# Altium PCB final.PcbDoc (continued)
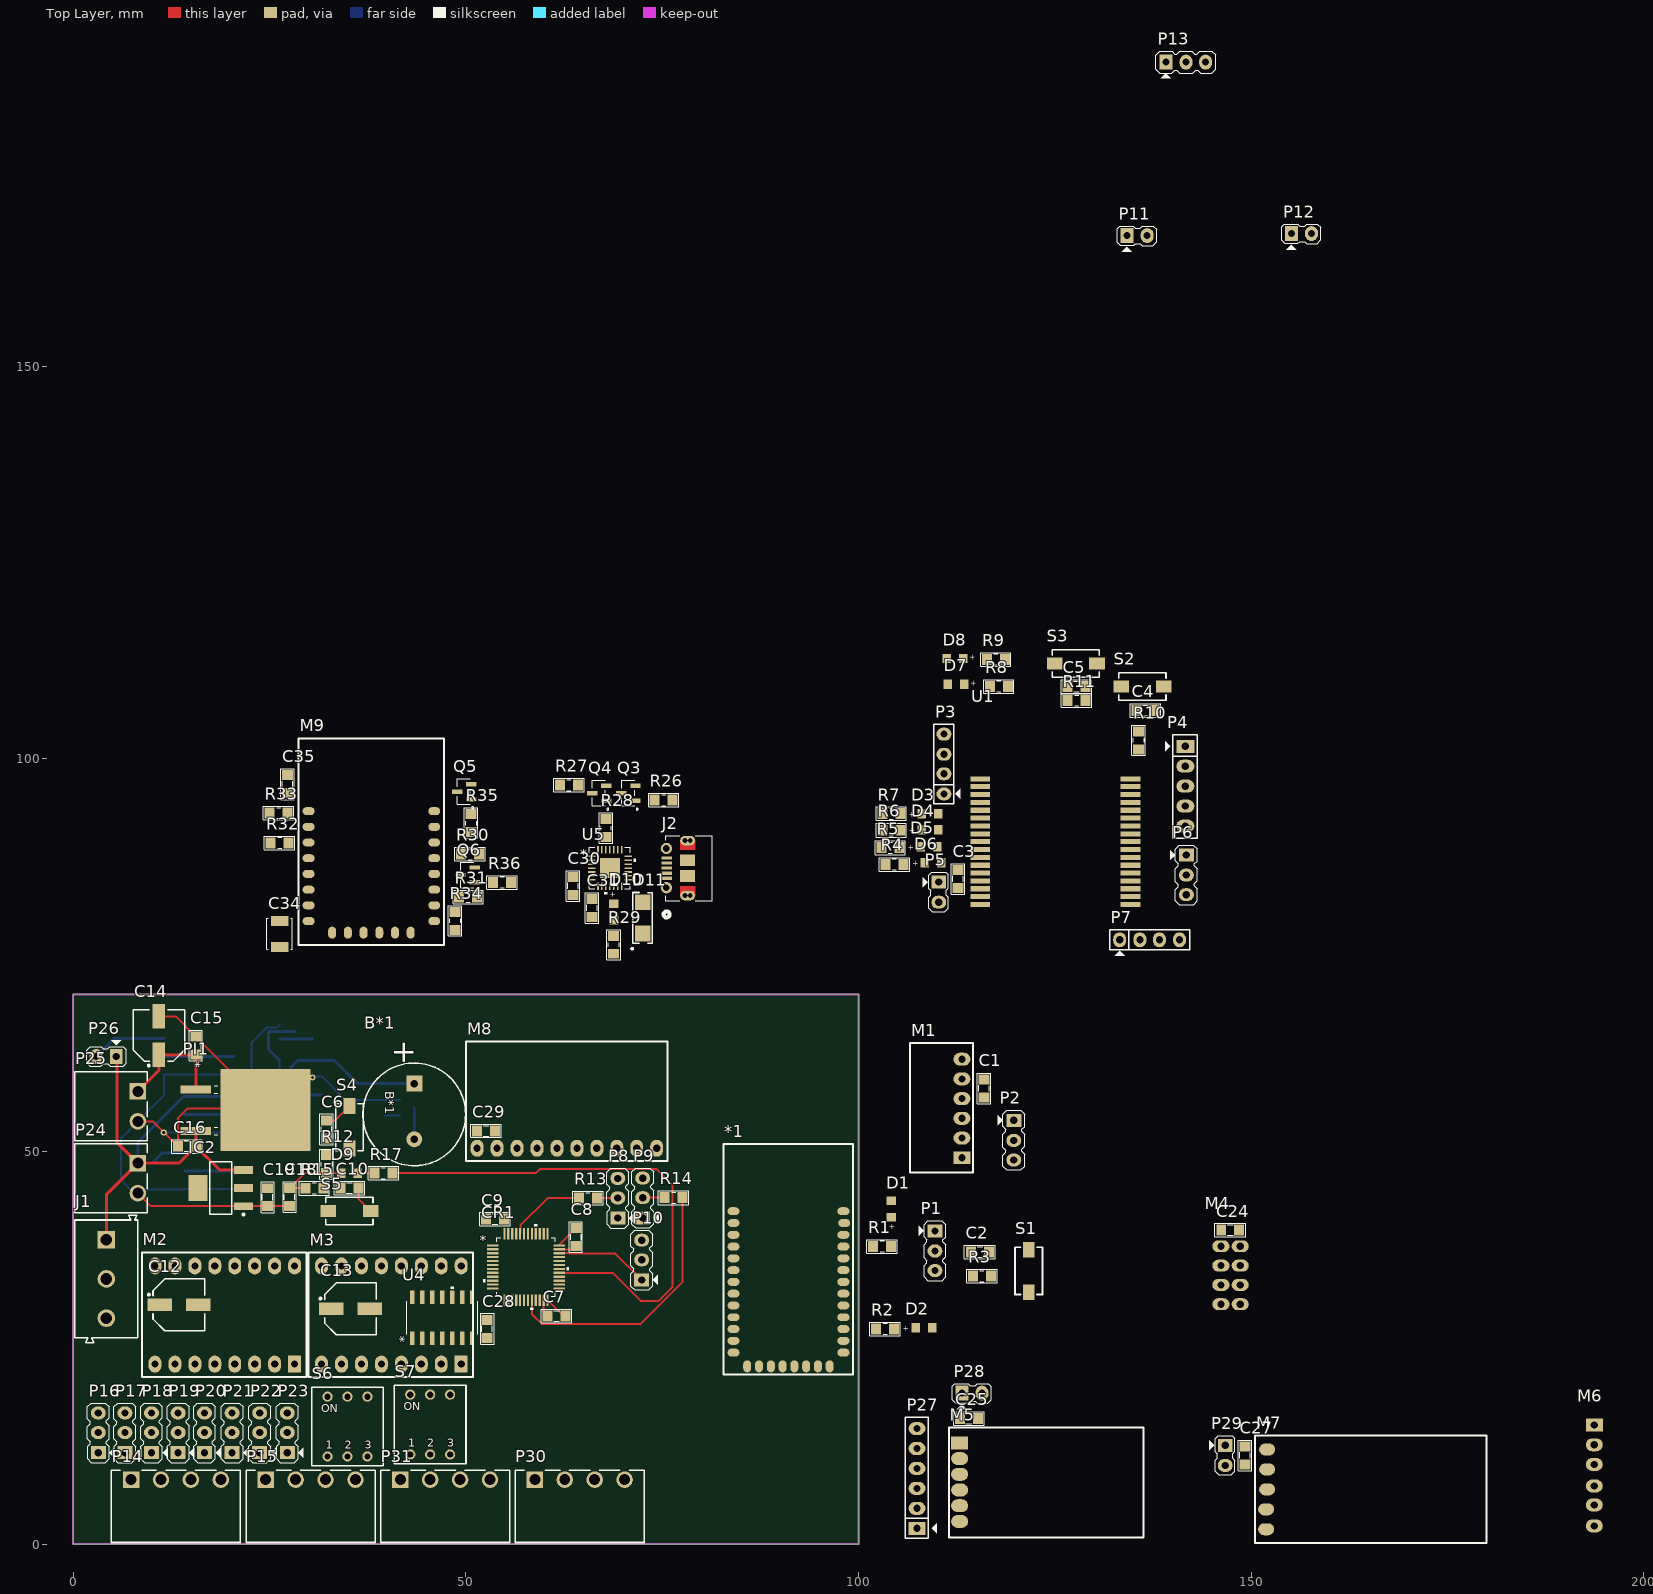
[diagram p0: Top Layer view]
## Footprints (in the part's own frame and the unit in brackets; to place one, negate y for a bottom-side part, rotate by r counter-clockwise, add the part's x,y. Pads: shape width x height; smd on the part's side, far side on the other; paste and mask are expansions set on the pad) (continued)
CAP_SM_TAN [mil]
  rect 49.98x87 smd: 1(-65,0) 2(65,0)
  silkscreen extent -78,-64 78,64, body extent -73,-60 73,58, height 85
CONN_105017-0001 [mil]
  rect 16x53 smd: 1(-51.18,112) 2(-25.59,112) 3(0,112) 4(25.59,112) 5(51.18,112)
  round 57 hole 33: 6(-98.43,112.98) 7(98.43,112.98)
  rect 59x75 smd: 10(-39.37,6.68) 11(39.37,6.68)
  oval 48x75 hole 1 mask+0: S_1(-137.8,6.68) S_2(137.8,6.68)
  round 24 hole 24: S_1_H1(-137.8,20.18) S_1_H2(-137.8,-6.82) S_2_H1(137.8,20.18) S_2_H2(137.8,-6.82)
  Top Layer region: 91.8,-30.82 91.8,44.18 137.8,44.18 137.8,-30.82
  Top Layer region: -91.8,-30.82 -91.8,44.18 -137.8,44.18 -137.8,-30.82
  Multi-Layer lines w24: -137.8,20.18 -137.8,-6.82 ; 137.8,20.18 137.8,-6.82
  silkscreen extent -247,-117 162,127, body extent -161,-95 161,118, height 108
CP2102-GM [mil]
  rect 38x8 smd paste+0 mask+0: 1(-91.5,59.06) 2(-91.5,39.37) 3(-91.5,19.68) 4(-91.5,0) 5(-91.5,-19.68) 6(-91.5,-39.37) 7(-91.5,-59.06) 15(91.5,-59.06) 16(91.5,-39.37) 17(91.5,-19.68) 18(91.5,0) 19(91.5,19.68) 20(91.5,39.37) 21(91.5,59.06)
  rect 8x38 smd paste+0 mask+0: 8(-59.06,-91.5) 9(-39.37,-91.5) 10(-19.68,-91.5) 11(0,-91.5) 12(19.68,-91.5) 13(39.37,-91.5) 14(59.06,-91.5) 22(59.06,91.5) 23(39.37,91.5) 24(19.68,91.5) 25(0,91.5) 26(-19.68,91.5) 27(-39.37,91.5) 28(-59.06,91.5)
  rect 100x100 smd paste-65.5 mask+0: 29(0,0)
  silkscreen extent -104,-130 130,104, body extent -98,-98 99,99, height 37
DRV8825 [mil]
  rect 85x65 hole 36: 1(0,0)
  oval 85x65 hole 36: 2(0,100) 3(0,200) 4(0,300) 5(0,400) 6(0,500) 7(0,600) 8(0,700) 9(492.13,700) 10(492.13,600) 11(492.13,500) 12(492.13,400) 13(492.13,300) 14(492.13,200) 15(492.13,100) 16(492.13,0)
  silkscreen extent -65,-60 560,765, body extent -50,-47 540,753, height 500
DWM1001 [mm]
  rect 2.54x0.65 smd: 1(0,0) 2(0,-1) 3(0,-2) 4(0,-3) 5(0,-4) 6(0,-5) 7(0,-6) 8(0,-7) 9(0,-8) 10(0,-9) 11(0,-10) 12(0,-11) 13(0,-12) 14(0,-13) 15(0,-14) 16(0,-15) 17(0,-16) 18(19.13,-16) 19(19.13,-15) 20(19.13,-14) 21(19.13,-13) 22(19.13,-12) 23(19.13,-11) 24(19.13,-10) 25(19.13,-9) 26(19.13,-8) 27(19.13,-7) 28(19.13,-6) 29(19.13,-5) 30(19.13,-4) 31(19.13,-3) 32(19.13,-2) 33(19.13,-1) 34(19.13,0)
  body extent -0.04,-17.12 19.09,9, height 3.2
ESP8266 [mil]
  oval 60x40 smd: 1(0,551.18) 2(0,472.44) 3(0,393.7) 4(0,314.96) 5(0,236.22) 6(0,157.48) 7(0,78.74) 8(0,0) 15(629.92,0) 16(629.92,78.74) 17(629.92,157.48) 18(629.92,236.22) 19(629.92,314.96) 20(629.92,393.7) 21(629.92,472.44) 22(629.92,551.18)
  oval 40x60 smd: 9(118.11,-58.27) 10(196.85,-58.27) 11(275.59,-58.27) 12(354.33,-58.27) 13(433.07,-58.27) 14(511.81,-58.27)
  silkscreen extent -50,-120 680,915, body extent -5,-63 625,882, height 104
GY9250 [mil]
  oval 85x65 hole 36: 1(0,0) 2(0,100) 3(0,200) 4(0,300) 5(0,400) 6(0,500) 7(0,600) 8(0,700) 9(0,800) 10(0,900)
  silkscreen extent -535,-55 65,955, body extent -530,-50 60,950, height 267
"HC05-06 DIP" [mil]
  rect 85x65 hole 36: 1(0,0)
  oval 85x65 hole 36: 2(0,98.82) 3(0,197.64) 4(0,296.46) 5(0,395.28) 6(0,494.09)
  silkscreen extent -260,-75 55,575, body extent -248,-65 10,565, height 1634
"HC05-06 SMD" [mil]
  oval 60x40 smd: 1(0,708.66) 2(0,649.61) 3(0,590.55) 4(0,531.5) 5(0,472.44) 6(0,413.39) 7(0,354.33) 8(0,295.28) 9(0,236.22) 10(0,177.17) 11(0,118.11) 12(0,59.06) 13(0,0) 22(551.18,0) 23(551.18,59.06) 24(551.18,118.11) 25(551.18,177.17) 26(551.18,236.22) 27(551.18,295.28) 28(551.18,354.33) 29(551.18,413.39) 30(551.18,472.44) 31(551.18,531.5) 32(551.18,590.55) 33(555,649.61) 34(551.18,708.66)
  oval 40x60 smd: 14(68.9,-68.9) 15(127.95,-68.9) 16(187.01,-68.9) 17(246.06,-68.9) 18(305.12,-68.9) 19(364.17,-68.9) 20(423.23,-68.9) 21(482.28,-68.9)
  silkscreen extent -50,-110 600,1045, body extent 0,-70 552,1033, height 93
HC12 [mil] "HC12"
  oval 80x60 smd: 1(0,0) 2(0,100) 3(0,200) 4(5,300) 5(5,400)
  silkscreen extent -1100,-70 60,470, body extent -1090,-62 0,462, height 1020
HOLYBRO [mil]
  rect 85x65 hole 36: 1(0,0)
  oval 85x65 hole 36: 2(0,98.43) 3(0,196.85) 4(0,305) 5(0,400) 6(0,505)
  body extent -135,-87 95,597, height 304
JP2 [mil]
  rect 65x75 hole 36: 1(0,0)
  oval 65x75 hole 36: 2(101,0)
  silkscreen extent -49,-81 148,48, body extent -48,-50 148,48, height 323
JP3 [mil] "Jumper 3"
  rect 65x75 hole 36: 1(-100,0)
  oval 65x75 hole 36: 2(1,0) 3(99,0)
  silkscreen extent -150,-81 149,55, body extent -150,-60 150,55, height 355
JP4 [mil] "Jumper 4"
  oval 65x75 hole 36: 1(-100,0) 2(1,0) 3(99,0) 4(200,0)
  silkscreen extent -150,-81 250,50, body extent -148,-48 248,50, height 323
JP5 [mil] "JP5"
  rect 65x90 hole 36: 1(0,0)
  oval 65x90 hole 36: 2(100,0) 3(200,0) 4(300,0) 5(400,0)
  silkscreen extent -57,-101 461,60, body extent -48,-53 448,45, height 323
JP6 [mil] "JP6"
  rect 65x85 hole 36: 1(0,0)
  oval 65x85 hole 36: 2(100,0) 3(200,0) 4(300,0) 5(400,0) 6(500,0)
  silkscreen extent -50,-99 556,58, body extent -48,-50 548,48, height 323
L7805_SMD [mil]
  rect 39x154 smd paste+0 mask+0: 1(-103.94,-349.5) 3(103.94,-349.5)
  rect 411x451 smd paste+0 mask+0: 2(0,0)
  silkscreen extent -122,-258 122,-239, body extent -205,-320 204,210, height 185
LC12S [mil]
  rect 85x65 smd: 1(446.22,-198.11)
  oval 85x65 smd: 2(446.22,-119.37) 3(446.22,-40.63) 4(446.22,38.11) 5(446.22,116.85) 6(446.22,195.59)
  silkscreen extent -475,-275 500,275, body extent -473,-268 444,271, height 79
LQFP-48 [mil]
  rect 58x11 smd: 1(-166,108.27) 2(-166,88.58) 3(-166,68.9) 4(-166,49.21) 5(-166,29.53) 6(-166,9.84) 7(-166,-9.84) 8(-166,-29.53) 9(-166,-49.21) 10(-166,-68.9) 11(-166,-88.58) 12(-166,-108.27) 25(166,-108.27) 26(166,-88.58) 27(166,-68.9) 28(166,-49.21) 29(166,-29.53) 30(166,-9.84) 31(166,9.84) 32(166,29.53) 33(166,49.21) 34(166,68.9) 35(166,88.58) 36(166,108.27)
  rect 11x58 smd: 13(-108.27,-166) 14(-88.58,-166) 15(-68.9,-166) 16(-49.21,-166) 17(-29.53,-166) 18(-9.84,-166) 19(9.84,-166) 20(29.53,-166) 21(49.21,-166) 22(68.9,-166) 23(88.58,-166) 24(108.27,-166) 37(108.27,166) 38(88.58,166) 39(68.9,166) 40(49.21,166) 41(29.53,166) 42(9.84,166) 43(-9.84,166) 44(-29.53,166) 45(-49.21,166) 46(-68.9,166) 47(-88.58,166) 48(-108.27,166)
  silkscreen extent -215,-215 215,215, body extent -181,-181 181,181, height 63
NRF24L01 [mil]
  oval 86x60 hole 36: 1(0,0) 2(-96.85,0) 3(0,96.85) 4(-96.85,96.85) 5(0,193.7) 6(-96.85,193.7) 7(0,290.55) 8(-96.85,290.55)
  body extent -2823,-155 90,445, height 3758
RES-SM-0805 [mil]
  rect 50x55 smd: 1(0,0) 2(90,0)
  silkscreen extent -31,-34 121,34, body extent -5,-24 95,25, height 20
SOT23_NEX [mil]
  rect 22x52 smd paste+0 mask+4: 1(-37.5,-37.21) 2(37.5,-37.21) 3(0,33.36)
  silkscreen extent -85,-50 64,33, body extent -59,-54 59,44, height 43
SOT223 [mm] "SOT223, 4-Leads, Body 6.5x3.5mm, Pitch 2.3mm, Lead Span 7mm, IPC Medium Density"
  rect 2.4x1 smd: 1(-2.9,2.3) 2(-2.9,0) 3(-2.9,-2.3)
  rect 2.4x3.3 smd: 4(2.9,0)
  silkscreen extent -3.02,-3.35 1.4,3.47, body extent -3.39,-3.27 3.5,3.23, height 1.72
SS14 [mm] "DO-214-AC/SMA Molded Diode, Body 5.3x2.6mm, IPC Medium Density"
  rect 1.999x1.999 smd: 1(-2,0) 2(2,0)
  silkscreen extent -4.06,-1.22 3.23,1.47, body extent -2.75,-1.4 2.75,1.4, height 2.3
WL-SMCW_0805 [mm] "SMD Mono-color Chip LED, body 2.0x1.25mm"
  rect 1.1x1.2 smd: 1(-1.05,0) 2(1.05,0)
  body extent -1,-0.63 1,0.62, height 0.7
XC6204/05_SOT-00 [mil]
  rect 60x21 smd: 1(-54.75,37.4) 2(-54.75,0) 3(-54.75,-37.4) 4(54.75,-37.4) 5(54.75,37.4)
  silkscreen extent -38,-62 38,62, body extent -56,-57 54,57, height 51

## Part data
C1 C2 C3 C4 C5 C6 C7 C8 C9 C10 C11 C21 C24 C25 C26 C27 C28 C29 C31 C33 C35: "CAP CER 0.1UF 50V Y5V 0805", Manufacturer="Samsung Electro-Mechanics", Manufacturer Part Number=CL21F104ZBCNNNC, Supplier 1 Part Number=1276-1007-1-ND, Local Supplier=thegioiic, Local Supplier Link=https://thegioiic.com/products/tu-100nf-0-1uf-50v-0805, Supplier 1=Digikey, Supplier 1 Link=https://www.digikey.com/product-detail/en/samsung-electro-mechanics/CL21F104ZBCNNNC/1276-1007-1-ND/3889093
C12 C13 C14: "CAP ALUM 100UF 20% 16V SMD", Manufacturer=Nichicon, Manufacturer Part Number=UWX1C101MCL1GB, Supplier 1 Part Number=493-2105-1-ND, Local Supplier=thegioiic, Local Supplier Link=https://thegioiic.com/products/tu-nhom-smd-100uf-16v-d6-3l5-4, Supplier 1=Digikey, Supplier 1 Link=https://www.digikey.com/product-detail/en/nichicon/UWX1C101MCL1GB/493-2105-1-ND/590080
C15 C16 C17 C18 C19 C20 C22 C23 C30 C32: "CAP CER 10UF 50V X5R 0805", Manufacturer=Yageo, Manufacturer Part Number=CC0805KKX5R9BB106, Supplier 1 Part Number=311-3499-2-ND, Local Supplier=thegioiic, Local Supplier Link=https://thegioiic.com/products/tu-10uf-50v-0805, Supplier 1=Digikey, Supplier 1 Link=https://www.digikey.com/product-detail/en/yageo/CC0805KKX5R9BB106/311-3499-2-ND/7164383
C34: library part Cap-Tan-100uF-16V, Manufacturer=Nichicon, Manufacturer Part Number=UWX1C101MCL1GB, Supplier 1 Part Number=493-2105-1-ND, Local Supplier=icdayroi, Local Supplier Link=https://icdayroi.com/tu-tantalum-100uf-16v-smd6032, Supplier 1=Digikey, Supplier 1 Link=https://www.digikey.com/product-detail/en/nichicon/UWX1C101MCL1GB/493-2105-1-ND/590080
CR1: library part STM32F103C8T6, "No Description Available", Built_By=EMA_UL_Team, Copyright="Copyright (C) 2018 Accelerated Designs. All rights reserved", Manufacturer_Part_Number=STM32F103C8T6, RefDes=RefDes, Type=DEV, Vendor=STMicroelectronics
D1 D5: library part 150080YS75000, "WL-SMCW SMT Mono-color Chip LED Waterclear, size 0805, Yellow, 2V, 140deg", Emitting Color=Yellow, Forward Voltage typ.=2V, Operating Temperature="-40 to +85degC", Chip Technology=AlInGaP, ComponentLink1Description=Manufacturer, ComponentLink1URL=http://www.we-online.de, ComponentLink2Description=Datasheet, ComponentLink2URL=https://www.we-online.com/catalog/datasheet/150080YS75000.pdf, Dominant Wavelength typ.=590nm, Luminous Intensity typ.=120mcd, Mounting Technology=SMT, Packaging="Tape and Reel", Part Number=150080YS75000, Peak Wavelength typ.=595nm, Published Date="December 2019", Publisher="Wurth Elektronik", Size=0805, Viewing Angle=140deg
D2 D3 D4 D7 D8 D9 D10: library part 150080RS75000, "WL-SMCW SMT Mono-color Chip LED Waterclear, size 0805, Red, 2V, 140deg", Emitting Color=Red, Forward Voltage typ.=2V, Operating Temperature="-40 to +85degC", Chip Technology=AlInGaP, ComponentLink1Description=Manufacturer, ComponentLink1URL=http://www.we-online.de, ComponentLink2Description=Datasheet, ComponentLink2URL=https://www.we-online.com/catalog/datasheet/150080RS75000.pdf, Dominant Wavelength typ.=625nm, Luminous Intensity typ.=150mcd, Mounting Technology=SMT, Packaging="Tape and Reel", Part Number=150080RS75000, Peak Wavelength typ.=630nm, Published Date="December 2019", Publisher="Wurth Elektronik", Size=0805, Viewing Angle=140deg
D6: library part 150080VS75000, "WL-SMCW SMT Mono-color Chip LED Waterclear, size 0805, Bright Green, 2V, 140deg", Emitting Color="Bright Green", Forward Voltage typ.=2V, Operating Temperature="-40 to +85degC", Chip Technology=AlInGaP, ComponentLink1Description=Manufacturer, ComponentLink1URL=http://www.we-online.de, ComponentLink2Description=Datasheet, ComponentLink2URL=https://www.we-online.com/catalog/datasheet/150080VS75000.pdf, Dominant Wavelength typ.=570nm, Luminous Intensity typ.=40mcd, Mounting Technology=SMT, Packaging="Tape and Reel", Part Number=150080VS75000, Peak Wavelength typ.=572nm, Published Date="December 2019", Publisher="Wurth Elektronik", Size=0805, Viewing Angle=140deg
D11: library part Diode-SS14, "DIODE SCHOTTKY 40V 1A SMA", Manufacturer="ON Semiconductor", Supplier 1 Part Number=SS14CT-ND, Local Supplier=thegioiic, Local Supplier Link=https://thegioiic.com/products/ss14-sma, Manufacturer Part Number=SS14, Supplier 1=Digikey, Supplier 1 Link=https://www.digikey.com/product-detail/en/on-semiconductor/SS14/SS14CT-ND/965729
IC1 IC2 IC3 IC4: "Available in 1.8V, 2.5V, 2.85V, 3.3V, 5V, and  Adjustable Versions"
J1: "WR-TBL Serie 111 Horizontal Entry Modular, Pressure Clamp, pitch 5mm, 3p", Operating Temperature="-40 to +105degC", Rated Current [UL]=15A, Working Voltage [UL]=250VAC, Application="Pressure Clamp", Compliance="Lead free / RoHS", ComponentLink1Description=Manufacturer, ComponentLink1URL=http://www.we-online.de, ComponentLink2Description=Datasheet, ComponentLink2URL=https://katalog.we-online.de/em/datasheet/691111710003.pdf, Modularity=Yes, Mounting Technology=THT, Packaging=Box, Part Number=691111710003, PCB/Cable/Panel=PCB, Pin Number=3, Pitch=5mm, Published Date="October 2019", Publisher="Wurth Elektronik", Type=Horizontal
J2 U2 U4 U5: "No Description Available", RefDes=RefDes, Type=DEV
  J2: Built_By=EMA_Cory, Copyright="Copyright (C) 2018 Accelerated Designs. All rights reserved", Datasheet=https://www.molex.com/pdm_docs/sd/1050170001_sd.pdf, Manufacturer_Part_Number=105017-0001, SourceLibrary=Molex_2020-05-26, Vendor="Molex Connector Corporation"
  U2: Copyright="Copyright (C) 2016 Accelerated Designs. All rights reserved", Manufacturer_Part_Number=74HC245D,652, SourceLibrary=Nexperia_2018-05-2018, Vendor=Nexperia
  U4: Copyright="Copyright (C) 2016 Accelerated Designs. All rights reserved", Manufacturer_Part_Number=74HC14D,652, SourceLibrary=Nexperia_2018-05-2018, Vendor=Nexperia
  U5: Built_By=EMA_UL_Team, Copyright="Copyright (C) 2018 Accelerated Designs. All rights reserved", Manufacturer_Part_Number=CP2102-GM, SourceLibrary=Silicon_Labs_2015-03-23, Vendor="Silicon Labs"
M5: library part LC12S
P1 P2 P6 P8 P9 P10 P13 P16 P17 P18 P19 P20 P21 P22 P23: "Header, 3-Pin", LatestRevisionDate=17-Jul-2002, LatestRevisionNote="Re-released for DXP Platform.", Publisher="Altium Limited"
P3 P7: "Header, 4-Pin", LatestRevisionDate=17-Jul-2002, LatestRevisionNote="Re-released for DXP Platform.", Publisher="Altium Limited"
P4: "Header, 5-Pin", LatestRevisionDate=17-Jul-2002, LatestRevisionNote="Re-released for DXP Platform.", Publisher="Altium Limited"
P5 P11 P12 P26 P28 P29: "Header, 2-Pin", LatestRevisionDate=17-Jul-2002, LatestRevisionNote="Re-released for DXP Platform.", Publisher="Altium Limited"
P14 P15 P30 P31: "WR-TBL Serie 322 Horizontal PCB Header, Pluggable, pitch 3.81mm, 4p", Operating Temperature="-40 to +105degC", Rated Current [UL]=10A, Working Voltage [UL]=300VAC, Application=Pluggable, Compliance=RoHS, ComponentLink1Description=Manufacturer, ComponentLink1URL=http://www.we-online.de, ComponentLink2Description=Datasheet, ComponentLink2URL=https://katalog.we-online.de/em/datasheet/691322310004.pdf, Modularity=No, Mounting Technology=THT, Packaging=Box, Part Number=691322310004, PCB/Cable/Panel=PCB, Pin Number=4, Pitch=3.81mm, Published Date="October 2019", Publisher="Wurth Elektronik", Type=Horizontal
P24 P25: "WR-TBL Serie 322 Horizontal PCB Header, Pluggable, pitch 3.81mm, 2p", Operating Temperature="-40 to +105degC", Rated Current [UL]=10A, Working Voltage [UL]=300VAC, Application=Pluggable, Compliance=RoHS, ComponentLink1Description=Manufacturer, ComponentLink1URL=http://www.we-online.de, ComponentLink2Description=Datasheet, ComponentLink2URL=https://katalog.we-online.de/em/datasheet/691322310002.pdf, Modularity=No, Mounting Technology=THT, Packaging=Box, Part Number=691322310002, PCB/Cable/Panel=PCB, Pin Number=2, Pitch=3.81mm, Published Date="October 2019", Publisher="Wurth Elektronik", Type=Horizontal
P27: "Header, 6-Pin", LatestRevisionDate=17-Jul-2002, LatestRevisionNote="Re-released for DXP Platform.", Publisher="Altium Limited"
Q3 Q4: "P-Channel 20V 3.7A (Ta) 1.3W (Ta) Surface Mount Micro3™/SOT-23"
R1 R2: "RES 470 OHM JUMPER 0805", Manufacturer=YAG6006CT-ND, Manufacturer Part Number=PE0805FRF7W0R047L, Local Supplier=thegioiic, Local Supplier Link=https://www.thegioiic.com/products/dien-tro-470-kohm-0805-5, Supplier 1=Digikey, Supplier 1 Link=https://www.digikey.com/product-detail/en/yageo/PE0805FRF7W0R047L/YAG6006CT-ND/9696460, Supplier 1 Part Number=YAG6006CT-ND
R3 R10 R11 R12 R15: "RES 10K OHM 1% 1/4W 0805", Manufacturer="Stackpole Electronics Inc", Manufacturer Part Number=RNCP0805FTD10K0, Supplier 1 Part Number=RNCP0805FTD10K0CT-ND, Local Supplier=thegioiic, Local Supplier Link=https://thegioiic.com/products/dien-tro-10k-ohm-0805-5, Supplier 1=Digikey, Supplier 1 Link=https://www.digikey.com/product-detail/en/stackpole-electronics-inc/RNCP0805FTD10K0/RNCP0805FTD10K0CT-ND/2240601
R4 R5 R6 R7: "RES SMD 1.2K OHM 1% 1/8W 0805", Manufacturer="TE Connectivity Passive Product", Manufacturer Part Number=CRG0805F1K2, Supplier 1 Part Number=A126346CT-ND, Local Supplier=thegioiic, Local Supplier Link=https://thegioiic.com/products/dien-tro-1-2k-ohm-0805-5, Supplier 1=Digikey, Supplier 1 Link=https://www.digikey.com/product-detail/en/te-connectivity-passive-product/CRG0805F1K2/A126346CT-ND/7603401
R8 R9 R17 R18 R19 R20 R21 R22 R23 R26 R27 R28 R29: "RES 1K OHM 1% 1/4W 0805", Manufacturer="Stackpole Electronics Inc", Manufacturer Part Number=RNCP0805FTD1K00, Supplier 1 Part Number=RNCP0805FTD1K00CT-ND, Local Supplier=thegioiic, Local Supplier Link=https://thegioiic.com/products/dien-tro-1k-ohm-0805-5, Supplier 1=Digikey, Supplier 1 Link=https://www.digikey.com/product-detail/en/stackpole-electronics-inc/RNCP0805FTD1K00/RNCP0805FTD1K00CT-ND/2240568
R13 R14 R25: "RES 0 OHM JUMPER 0805", Manufacturer="Vishay Dale", Manufacturer Part Number=WSL080500000ZEA9, Supplier 1 Part Number=541-3928-1-ND, Local Supplier=thegioiic, Local Supplier Link=https://thegioiic.com/products/dien-tro-0-ohm-0805-5, Supplier 1=Digikey, Supplier 1 Link=https://www.digikey.com/product-detail/en/vishay-dale/WSL080500000ZEA9/541-3928-1-ND/7423223
R16: "RES 15K OHM 1% 1/4W 0805", Manufacturer="TE Connectivity Passive Product", Manufacturer Part Number=CRGCQ0805F15K, Supplier 1 Part Number=A129763CT-ND, Local Supplier=thegioiic, Local Supplier Link=https://thegioiic.com/products/dien-tro-15k-ohm-0805-1, Supplier 1=Digikey, Supplier 1 Link=https://www.digikey.com/product-detail/en/te-connectivity-passive-product/CRGCQ0805F15K/A129763CT-ND/8577595
R24: "RES SMD 4.7K OHM 5% 1/8W 0805", Manufacturer=Yageo, Manufacturer Part Number=RC0805JR-074K7L, Supplier 1 Part Number=311-4.7KARCT-ND, Local Supplier=thegioiic, Local Supplier Link=https://thegioiic.com/products/dien-tro-4-7k-ohm-0805-5, Supplier 1=Digikey, Supplier 1 Link=https://www.digikey.com/product-detail/en/yageo/RC0805JR-074K7L/311-4.7KARCT-ND/731274
R30 R31 R32 R33 R34 R35 R36: "RES 12 KOHM JUMPER 0805", Manufacturer="Vishay Thin Film", Manufacturer Part Number=PAT0805E3121BST1, Supplier 1 Part Number=PAT0805E3121BST1-ND, Local Supplier=icdayroi, Local Supplier Link=https://icdayroi.com/dien-tro-12k-0805-1-goi-50-con, Supplier 1=Digikey, Supplier 1 Link=https://www.digikey.com/product-detail/en/vishay-thin-film/PAT0805E3121BST1/PAT0805E3121BST1-ND/2281536
S1 S2 S3 S4 S5: "WS-TASV J-Bend SMT Tact Switch 6x3.5mm, height 4.3mm, 260gf", Operating Temperature="-40 to +85degC", Rated Current=50mA, Rated Voltage=12VDC, ComponentLink1Description=Manufacturer, ComponentLink1URL=http://www.we-online.de, ComponentLink2Description=Datasheet, ComponentLink2URL=https://katalog.we-online.com/em/datasheet/434113043826.pdf, Contact Material="Stainless Steel", Contact Plating=Silver, Height=4.3mm, Mounting Technology=SMT, Operation Force=260gf, Packaging="Tape and Reel", Part Number=434113043826, Published Date="September 2019", Publisher="Wurth Elektronik", Terminal Material="Copper Alloy", Terminal Plating=Silver, Washable=No
S6 S7: "WS-DITV Compact THT Dip Switch, Flat Actuator, pitch 2.54mm, 3p", Operating Temperature="-40 to +85degC", Rated Current Non-Switching=100mA, Rated Current Switching=25mA, Rated Voltage Non-Switching=50VDC, Rated Voltage Switching=24VDC, Actuator Type="Flat Type", Circuit=SPST-NO, ComponentLink1Description=Manufacturer, ComponentLink1URL=http://www.we-online.de, ComponentLink2Description=Datasheet, ComponentLink2URL=https://katalog.we-online.com/em/datasheet/418117170903.pdf, Contact Material="Copper Alloy", Contact Plating=Gold, Mounting Technology=THT, Operation Force=800g, Packaging=Tube, Part Number=418117170903, Pitch=2.54mm, Pole Number=3, Published Date="September 2019", Publisher="Wurth Elektronik"
M8: Local Supplier=HShop, Local Supplier Link=https://hshop.vn/products/cam-bien-gy-9250-9dof-imu-mpu9250
U3: Built_By=EMA_UL_Team, Copyright="Copyright (C) 2018 Accelerated Designs. All rights reserved", Manufacturer_Part_Number=XC6204B332MR, RefDes=RefDes, SourceLibrary=Torex_2016-07-05_1, Type=DEV, Vendor="Torex Semiconductor"

## Via types
v1: diameter 0.8, hole 0.4, Top Layer to Bottom Layer, 2 vias

## Nets (pads, with @x,y where several pads share a name; then routed paths per layer and width w, separated by ;. In a path a pad name is that pad's centre, name@x,y a point inside that pad or via, vN(x,y) a via of type N, cw(c..) or ccw(c..) an arc to the next point about the centre after c; other vN are vias at no path point)
3V3_BLU: *1.12 C23.2 IC4.2 IC4.4 S1.1 | length 8.4
  Bottom Layer w0.381: IC4.2 IC4.4 C23.2
3V3_DWM: C20.2 IC3.2 IC3.4 P5.2 | length 8.6
  Bottom Layer w0.381: IC3.2 IC3.4 C20.2
3V3_DWM_M: C3.2 P3.4 P5.1 R4.2 R5.2 R6.2 R7.2 R10.1 R11.1 U1.12
3V3_RF: C22.2 C24.2 M4.2 P28.2 P29.2 U3.5 | length 2.6
  Bottom Layer w0.381: U3.5 31.562,57.216 C22.2
3V3_WIFI: C17.2 C30.2 C31.2 C34.1 IC1.2 IC1.4 M9.8 R27.2 R30.1 R31.1 R32.1 R33.1 U5.6 U5.7 | length 8.9
  Bottom Layer w0.381: IC1.2 IC1.4 C17.2
5V: B*1.1 C1.2 C16.2 C21.2 C26.2 IC2.3 IC3.3 IC4.3 J1.1 M1.5 M6.1 P13.3 P24.1 P26.1 PI1.3 R24.2 U3.1 | length 95.4
  Top Layer w0.381: J1.1 4.225,44.513 P24.1 ; P26.1 5.559,62.03 5.559,51.181 P24.1 ; PI1.3 C16.2 ; IC2.3 18.655,47.639 C16.2 ; P24.1 13.462,48.514 C16.2
  Bottom Layer w0.381: IC4.3 11.317,49.798 10.033,48.514 P24.1 8.226,51.145 IC3.3 22.57,57.037 C21.2 26.273,57.2 U3.1 27.244,57.216 27.686,57.658 27.686,60.706 R24.2 33.274,61.595 36.227,58.642 B*1.1
5V_USB: D11.2 J2.1
5V_WIFI: C32.2 C33.2 D11.1 IC1.3 P26.2 U5.8 | length 9.6
  Bottom Layer w0.381: P26.2 5.221,64.403 IC1.3
12V: C14.1 C15.2 P11.1 P12.1 P25.1 PI1.1 | length 14.9
  Top Layer w0.381: P25.1 10.922,60.354 C14.1 15.584,62.32 C15.2 PI1.1
12V_STEP: C12.1 C13.1 M2.9 M3.9 P11.2 P12.2
BLU_KEY: C2.2 CR1.32 P1.2 R3.1 S1.2
BLU_KEY_HC05: *1.34 P1.1
BLU_KEY_HC06: *1.26 P1.3
BLUE_RX: *1.2 CR1.30 M1.2 P2.2
BLUE_TX: *1.1 CR1.31 M1.3 P2.1
BOOT0: P8.2 R13.2 | length 2.7
  Top Layer w0.254: R13.2 69.317,44.069 P8.2
BOOT1: P9.2 R14.1 | length 2.8
  Top Layer w0.254: P9.2 R14.1
BTN: C10.2 CR1.18 R15.1 S5.1
BUZZER: CR1.2 R16.1
CP2102_DTR: Q6.2 R35.1 U5.28
CP2102_RTS: Q5.2 R36.2 U5.24
DWM_BLE_WK: C5.2 R11.2 S3.1 U1.32
DWM_nRST: C4.2 R10.2 S2.1 U1.33
DWM_READY: P7.2
DWM_RX: P7.3
DWM_RX_LED: R9.2 U1.31
DWM_SCL: P6.1 U1.25
DWM_SDA: P6.2 U1.23
DWM_SPI_CLK: CR1.26 P4.3 U1.28
DWM_SPI_CSn: CR1.25 P4.2 U1.29
DWM_SPI_MISO: CR1.27 P4.5 U1.26
DWM_SPI_MOSI: CR1.28 P4.4 U1.27
DWM_SWCLK: P3.2 U1.2
DWM_SWDIO: P3.1 U1.3
DWM_TX: P7.1
DWM_TX_LED: R8.2 U1.30
ENC_1A: P30.2 U4.1
ENC_1B: P30.3 U4.3
ENC_2A: P31.2 U4.5
ENC_2B: P31.3 U4.9
ESP_ADC: M9.2
ESP_ENB: M9.3 R32.2
ESP_GPIO0: M9.18 Q6.3 R30.2
ESP_GPIO2: M9.17 R31.2
ESP_GPIO4: M9.19
ESP_GPIO5: M9.20
ESP_GPIO9: M9.11
ESP_GPIO10: M9.12
ESP_GPIO12: M9.6
ESP_GPIO13: M9.7
ESP_GPIO14: M9.5
ESP_GPIO15: M9.16 R34.2
ESP_GPIO16: M9.4
ESP_nRST: C35.2 M9.1 Q5.3 R33.2
ESP_RX: M9.21 Q3.2 Q4.2 R27.1
ESP_SPI_CLK: M9.14
ESP_SPI_INT: M9.13
ESP_SPI_MISO: M9.10
ESP_SPI_MOSI: M9.9
ESP_TX: CR1.13 M9.22 U5.25
LED: CR1.29 J1.2 R17.1 | length 66.4
  Top Layer w0.254: R17.1 58.915,47.244 59.436,47.765 74.282,47.765 76.327,45.72 76.327,32.778 74.537,30.988 72.263,30.988 68.695,34.556 CR1.29
MTR1_A1: M2.13 P16.1
MTR1_A2: M2.14 P17.1
MTR1_B1: M2.12 P18.1
MTR1_B2: M2.11 P19.1
MTR1_C1: P14.1 P16.2
MTR1_C2: P14.2 P17.2
MTR1_C3: P14.3 P18.2
MTR1_C4: P14.4 P19.2
MTR1_DIR: M2.1 P17.3 U2.17
MTR1_ENB: M2.8 U2.14
MTR1_PWM: M2.2 P16.3 U2.18
MTR2_A1: M3.13 P20.1
MTR2_A2: M3.14 P21.1
MTR2_B1: M3.12 P22.1
MTR2_B2: M3.11 P23.1
MTR2_C1: P15.1 P20.2
MTR2_C2: P15.2 P21.2
MTR2_C3: P15.3 P22.2
MTR2_C4: P15.4 P23.2
MTR2_DIR: M3.1 P21.3 U2.15
MTR2_ENB: M3.8 U2.13
MTR2_PWM: M3.2 P20.3 U2.16
Net*1_11: *1.11 CR1.14
Net*1_24: *1.24 R2.1
Net*1_31: *1.31 R1.1
NetB*1_2: B*1.2 Q1.3 | length 4.1
  Bottom Layer w0.254: Q1.3 43.434,55.584 B*1.2
NetC25_2: C25.2 M5.1 P27.6 P28.1
NetC27_2: C27.2 M7.1 P29.1
NetCR1_3: CR1.3 U2.3
NetCR1_4: CR1.4 U2.6
NetCR1_5: CR1.5 U2.5
NetCR1_6: CR1.6 U2.7
NetCR1_10: CR1.10 U2.2
NetCR1_11: CR1.11 U2.4
NetCR1_12: CR1.12 R26.2
NetCR1_15: CR1.15 R25.1
NetCR1_16: CR1.16 U4.2
NetCR1_17: CR1.17 U4.4
NetCR1_20: CR1.20 R14.2 | length 34.4
  Top Layer w0.254: CR1.20 58.438,31.06 58.438,29.252 59.636,28.054 72.25,28.054 77.597,33.401 R14.2
NetCR1_33: CR1.33 M4.8
NetCR1_38: CR1.38 M4.4
NetCR1_39: CR1.39 M4.5
NetCR1_40: CR1.40 M4.7
NetCR1_41: CR1.41 M4.6
NetCR1_42: CR1.42 U4.8
NetCR1_43: CR1.43 U4.6
NetCR1_44: CR1.44 R13.1 | length 10
  Top Layer w0.254: CR1.44 56.938,39.553 56.938,40.608 60.399,44.069 R13.1
NetCR1_45: CR1.45 M8.3
NetCR1_46: CR1.46 M8.4
NetD1_2: D1.2 R1.2
NetD2_2: D2.2 R2.2
NetD3_1: D3.1 U1.7
NetD3_2: D3.2 R7.1
NetD4_1: D4.1 U1.8
NetD4_2: D4.2 R6.1
NetD5_1: D5.1 U1.9
NetD5_2: D5.2 R5.1
NetD6_1: D6.1 U1.10
NetD6_2: D6.2 R4.1
NetD7_2: D7.2 R8.1
NetD8_2: D8.2 R9.1
NetD9_1: D9.1 R17.2 | length 2.1
  Top Layer w0.254: D9.1 R17.2
NetD10_1: D10.1 R29.2
NetD10_2: D10.2 U5.12
NetM2_5: M2.5 R20.1 S6.4
NetM2_6: M2.6 R19.1 S6.5
NetM2_7: M2.7 R18.1 S6.6
NetM3_5: M3.5 R23.1 S7.4
NetM3_6: M3.6 R22.1 S7.5
NetM3_7: M3.7 R21.1 S7.6
NetM4_3: M4.3
NetQ1_1: Q1.1 R16.2 | length 2
  Bottom Layer w0.254: R16.2 41.536,54.61 Q1.1
NetQ2_1: Q2.1 R25.2 | length 4.2
  Bottom Layer w0.381: Q2.1 30.402,64.325 R25.2
NetQ2_3: Q2.3 R24.1 U3.3 | length 10
  Bottom Layer w0.254: U3.3 R24.1
  Bottom Layer w0.381: R24.1 24.892,62.992 24.892,65.278 Q2.3
NetQ3_1: Q3.1 R26.1
NetQ4_1: Q4.1 R28.2
NetQ5_1: Q5.1 R35.2
NetQ6_1: Q6.1 R36.1
NetR18_2: R18.2 R19.2 R20.2
NetR21_2: R21.2 R22.2 R23.2
NetR28_1: R28.1 U5.26
NetU1_18: U1.18
NetU1_19: U1.19
NetU1_20: U1.20
NRST: C6.2 CR1.7 R12.1 S4.1
RF_CS: M5.5 P27.2
RF_RXD: CR1.21 M5.2 M6.2 M7.3 P27.5
RF_SET: CR1.19 M5.4 M7.5 P27.3
RF_TXD: CR1.22 M5.3 M6.3 M7.4 P27.4
SWCLK: CR1.37 P10.2
SWDIO: CR1.34 P10.1 | length 11.9
  Top Layer w0.254: CR1.34 63.125,37.056 63.173,37.008 69.037,37.008 P10.1
USB_D_N: J2.2 U5.5
USB_D_P: J2.3 U5.4
VCC_245: C11.2 P13.2 U2.1 U2.20
VDD: C7.2 C8.1 C9.1 C18.2 C19.2 C28.2 C29.2 CR1.9 CR1.24 CR1.36 CR1.48 D9.2 IC2.2 IC2.4 M2.3 M2.4 M3.3 M3.4 M8.1 P8.1 P9.3 P13.1 P30.1 P31.1 R12.2 R15.2 U4.14 | length 15.6
  Top Layer w0.254: R15.2 29.544,45.339 C18.2 29.464,47.244 R12.2 D9.2 ; CR1.24 62.415,29.083 C7.2 ; CR1.36 61.874,38.125 C8.1
VSS: *1.13 *1.21 *1.22 C1.1 C2.1 C3.1 C4.1 C5.1 C6.1 C7.1 C8.2 C9.2 C10.1 C11.1 C12.2 C13.2 C14.2 C15.1 C16.1 C17.1 C18.1 C19.1 C20.1 C21.1 C22.1 C23.1 C24.1 C25.1 C26.1 C27.1 C28.1 C29.1 C30.1 C31.1 C32.1 C33.1 C34.2 C35.1 CR1.8 CR1.23 CR1.35 CR1.47 D1.1 D2.1 D7.1 D8.1 IC1.1 IC2.1 IC3.1 IC4.1 J1.3 J2.5 M1.4 M2.10 M2.16 M3.10 M3.16 M4.1 M5.6 M6.6 M7.2 M8.2 M9.15 P2.3 P3.3 P4.1 P6.3 P7.4 P8.3 P9.1 P10.3 P18.3 P19.3 P22.3 P23.3 P24.2 P25.2 P27.1 P30.4 P31.4 PI1.2 Q1.2 Q2.2 Q3.3 Q4.3 R3.2 R29.1 R34.1 S2.2 S3.2 S4.2 S5.2 S6.1 S6.2 S6.3 S7.1 S7.2 S7.3 U1.1 U1.11 U1.24 U1.34 U2.10 U2.19 U3.2 U4.7 U5.3 U5.29 | length 153.5
  Top Layer w0.254: P24.2 9.891,43.039 IC2.1 C19.1 24.779,43.053 C18.1 ; P25.2 10.16,53.848 11.557,52.451 v1(11.525,52.419) ; C14.2 13.044,67.22 C15.1 24.498,55.766 PI1.2 24.271,55.499 14.605,55.499 13.335,54.229 C16.1 11.867,52.141 ; PI1.2@30.162,59.436 30.212,59.486 30.262,59.436 v1(30.48,59.436) ; C6.1 33.368,53.975 S4.2 ; C10.1 36.322,43.975 S5.2 ; CR1.23 59.908,29.583 C7.1 ; CR1.35 63.591,37.556 C8.2
  Bottom Layer w0.254: v1(11.525,52.419) 11.543,52.437 IC3.1 14.132,52.451 C20.1 ; C23.1 14.259,45.212 IC4.1 8.72,45.198 P24.2 7.747,44.704 6.096,46.355 6.096,51.718 P25.2 11.578,57.2 IC1.1 11.592,59.817 C17.1 20.778,59.486 C21.1 ; U3.2 24.053,58.166 C21.1 ; Q2.2 25.928,65.799 24.676,65.799 22.733,63.855 C21.1 ; v1(30.48,59.436) 30.607,59.563 C22.1 34.608,56.578 Q1.2
pads on no net: *1.3 *1.4 *1.5 *1.6 *1.7 *1.8 *1.9 *1.10 *1.14 *1.15 *1.16 *1.17 *1.18 *1.19 *1.20 *1.23 *1.25 *1.27 *1.28 *1.29 *1.30 *1.32 *1.33 CR1.1 J2.4 J2.6 J2.7 J2.10 J2.11 J2.S_1 J2.S_1_H1 J2.S_1_H2 J2.S_2 J2.S_2_H1 J2.S_2_H2 M1.1 M1.6 M2.15 M3.15 M6.4 M6.5 M8.5 M8.6 M8.7 M8.8 M8.9 M8.10 U1.4 U1.5 U1.6 U1.13 U1.14 U1.15 U1.16 U1.17 U1.21 U1.22 U2.8 U2.9 U2.11 U2.12 U3.4 U4.10 U4.11 U4.12 U4.13 U5.1 U5.2 U5.9 U5.10 U5.11 U5.13 U5.14 U5.15 U5.16 U5.17 U5.18 U5.19 U5.20 U5.21 U5.22 U5.23 U5.27

## Keep-outs
Keep-Out Layer:
  the board outline again, w0.254

## Text inside footprints (layer, text, board x,y; h text height)
B*1: Top Overlay "+" at 40.894,64.262 h2.86 r270
CR1: Top Overlay "*" at 51.752,38.052 h1.27; Mechanical 13 "*" at 54.115,37.671 h1.27
D1: Top Overlay "+" at 103.84,40.122 h0.76
D2: Top Overlay "+" at 105.781,27.859 h0.76 r270
D3: Top Overlay "+" at 106.543,93.316 h0.76 r270
D4: Top Overlay "+" at 106.543,91.262 h0.76 r270
D5: Top Overlay "+" at 106.416,89.126 h0.76 r270
D6: Top Overlay "+" at 106.949,87.072 h0.76 r270
D7: Top Overlay "+" at 114.945,109.174 h0.76 r90
D8: Top Overlay "+" at 114.818,112.476 h0.76 r90
D9: Top Overlay "+" at 32.629,47.544 h0.76 r270
D10: Top Overlay "+" at 69.134,83.034 h0.76 r180
PI1: Top Overlay "*" at 14.986,61.504 h1.27 r270; Mechanical 13 "*" at 18.745,58.229 h1.27 r270
S6: Top Overlay "3" at 37.095,12.186 h1.02; Top Overlay "ON" at 31.585,16.786 h1.02; Top Overlay "1" at 32.155,12.186 h1.02; Top Overlay "2" at 34.555,12.186 h1.02; Mechanical 13 "3" at 37.095,12.186 h1.02; Mechanical 13 "1" at 32.155,12.186 h1.02; Mechanical 13 "ON" at 31.585,16.786 h1.02; Mechanical 13 "2" at 34.555,12.186 h1.02
S7: Top Overlay "3" at 47.625,12.44 h1.02; Top Overlay "ON" at 42.115,17.04 h1.02; Top Overlay "1" at 42.685,12.44 h1.02; Top Overlay "2" at 45.085,12.44 h1.02; Mechanical 13 "3" at 47.625,12.44 h1.02; Mechanical 13 "1" at 42.685,12.44 h1.02; Mechanical 13 "ON" at 42.115,17.04 h1.02; Mechanical 13 "2" at 45.085,12.44 h1.02
U2: Mechanical 13 "*" at 29.388,47.549 h1.27 r90; Bottom Overlay "*" at 28.423,49.162 h1.27 r90
U3: Bottom Overlay "*" at 25.717,56.911 h1.27 r180
U4: Top Overlay "*" at 42.774,25.655 h1.27 r90; Mechanical 13 "*" at 43.967,26.9 h1.27 r90
U5: Top Overlay "*" at 64.567,87.205 h1.27; Mechanical 13 "*" at 66.167,87.205 h1.27